# KiCad board output.Panel_R0.5.1_300x300_2layer_step1_Modified_1and5_only.kicad_pcb (continued)
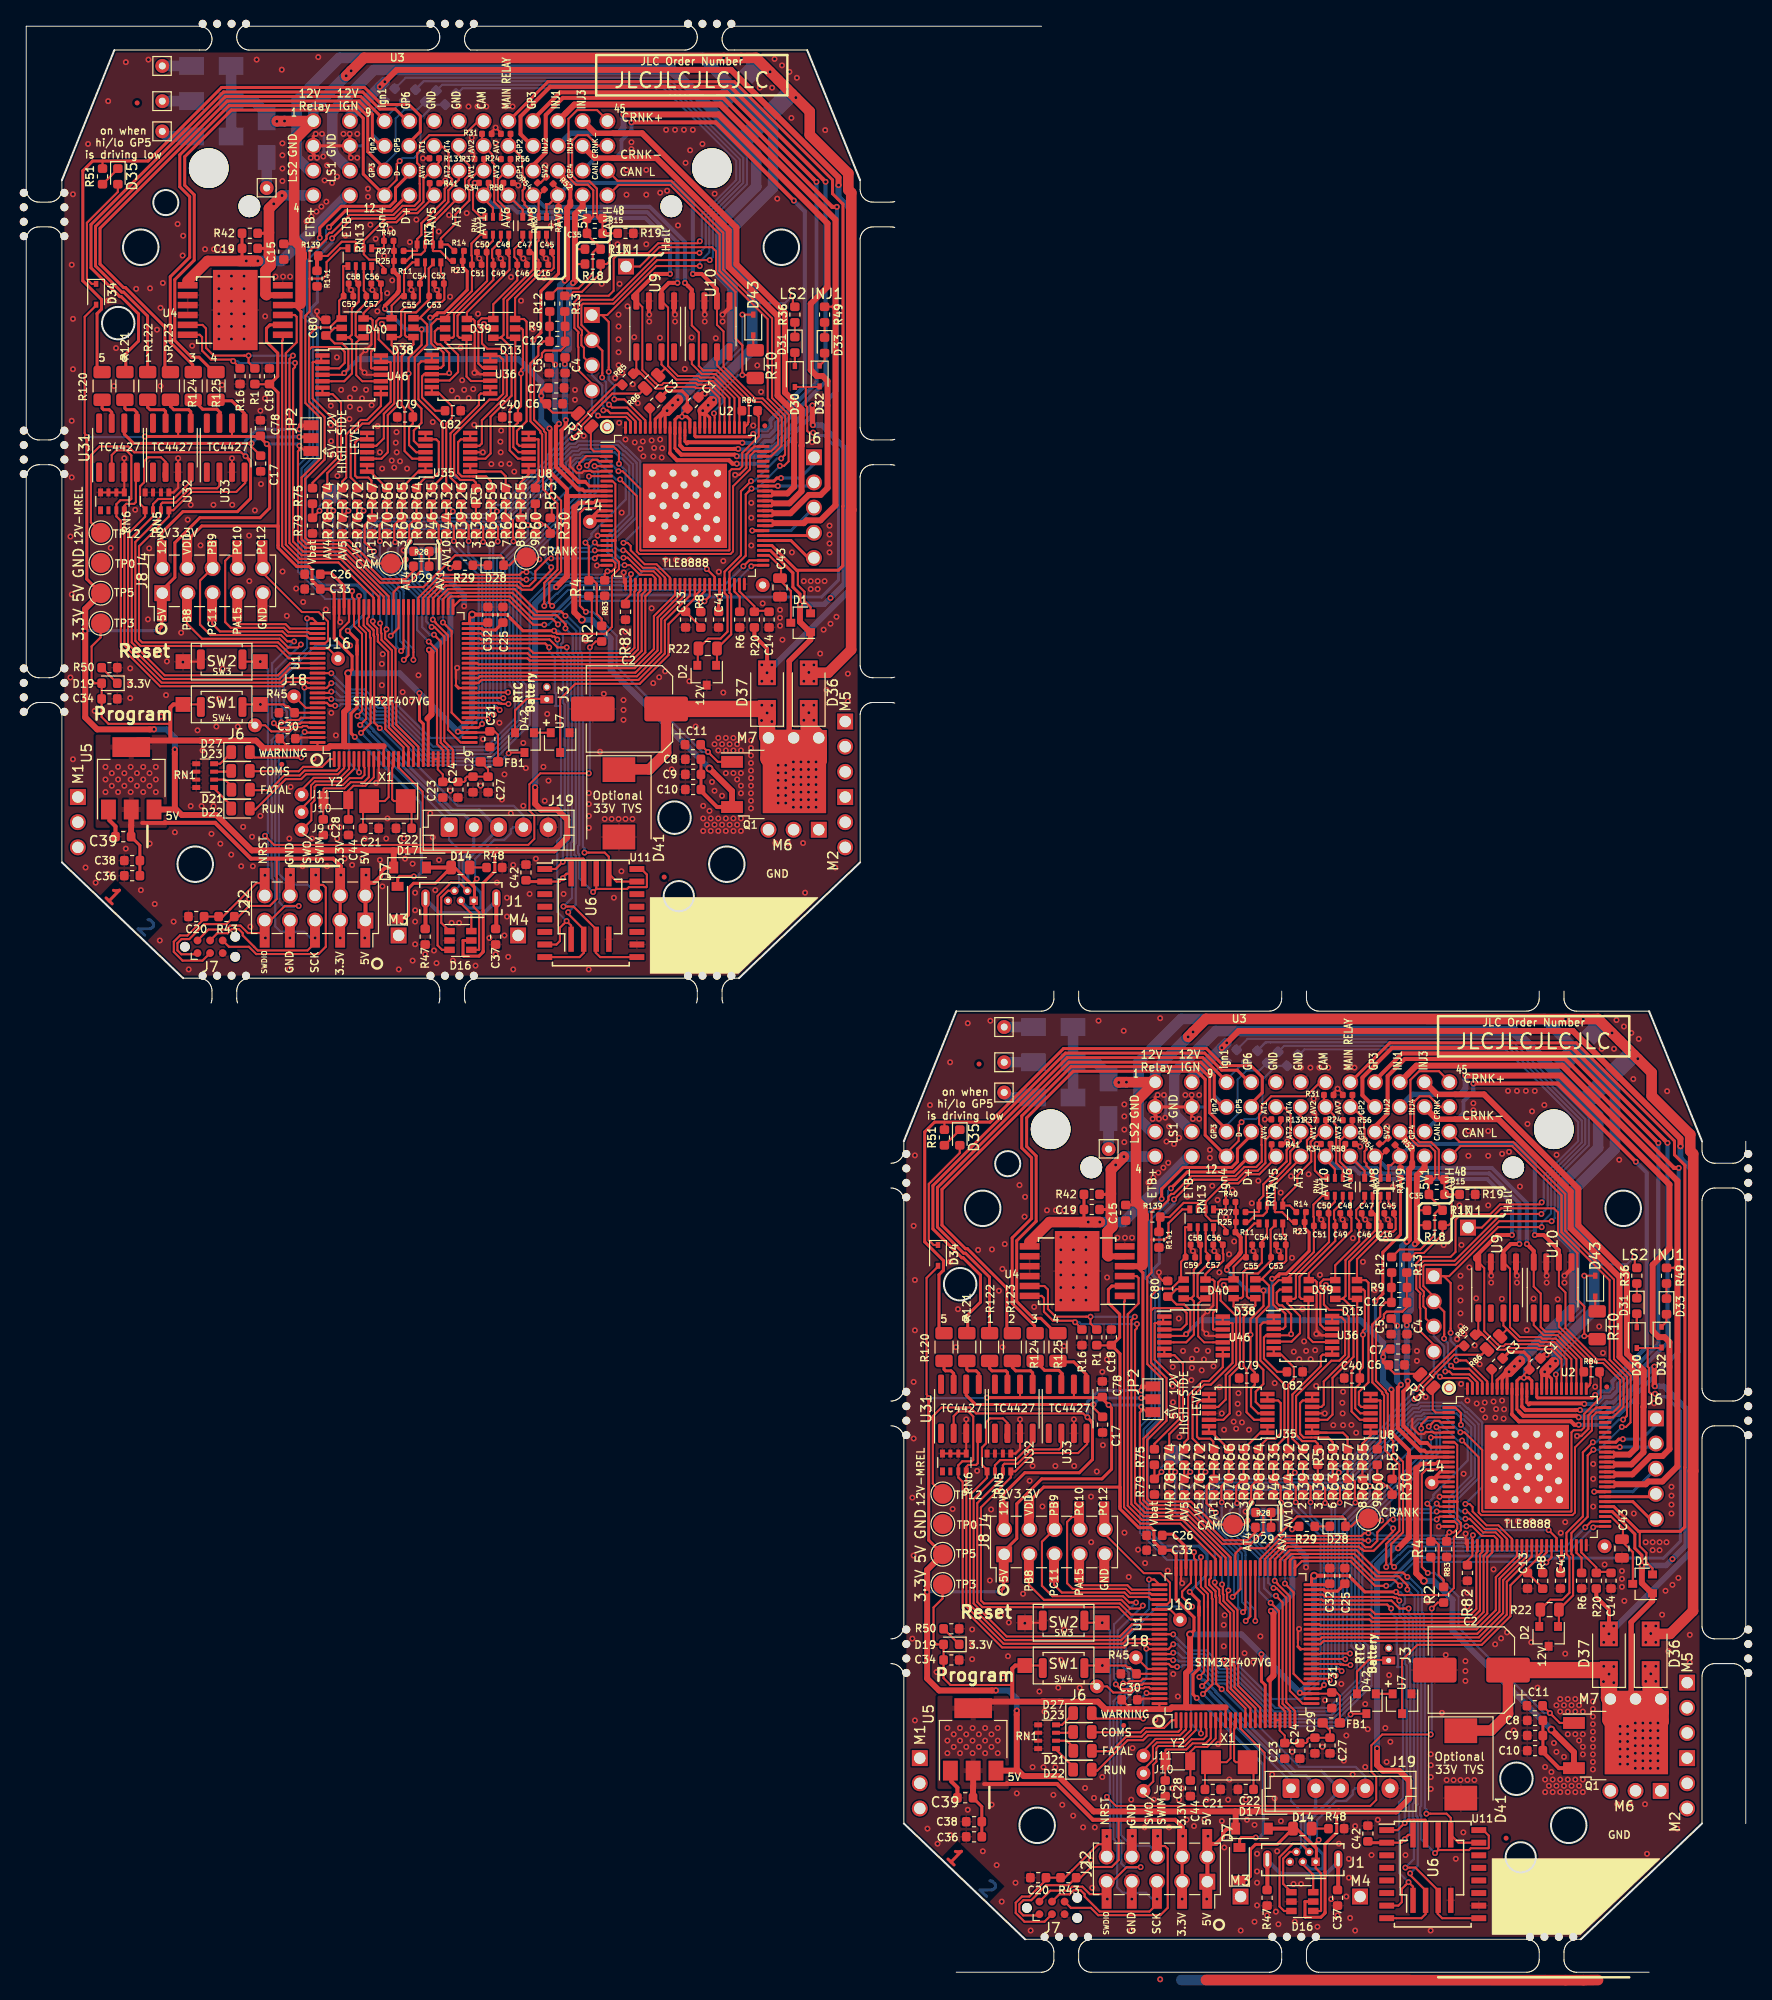
[diagram p0: board, top side]
## Routing (per net, layer and track width the routed paths; a pad name or vN(x,y) marks a point on that pad's centre or on a via; arc(x,y) is an arc through that point) (continued)
/AV9: length 103.9
  Top w0.203: 154.74,71.68 154.74,69.27 155.4,68.6 155.4,65.02 158.58,61.84 159.34,61.84 161.27,59.91 161.27,57.91 161.26,57.9 161.26,57.05 160.2,56 U2#2.73 ; U10.6 69.73,166.26 70.4,165.6 70.4,162.02 73.58,158.84 74.34,158.84 76.27,156.91 76.27,154.91 76.26,154.9 76.26,154.05 75.2,153 U2.73
  Top w0.216: R7#2.2 138.74,82.27 U3#2.40 ; R52#2.1 138.67,83.02 U3#2.40 ; U3#2.40 137.79,81.45 137.47,81.45 137.53,81.39 RN2#2.1 ; R52.1 53.67,180.02 U3.40 ; U3.40 52.79,178.45 52.47,178.45 52.53,178.39 RN2.1 ; U3.40 53.74,179.27 R7.2
  Top w0.406: v1(152.3,74.4) 153.2,74.4 154.74,72.87 154.74,71.68 ; U10.6 69.73,169.87 68.2,171.4 v1(67.3,171.4)
  Bottom w0.406: U3#2.40 139.94,83.6 150.3,83.6 152.3,81.6 v1(152.3,74.4) ; v1(67.3,171.4) 67.3,178.6 65.3,180.6 54.94,180.6 U3.40
/AV9_MCU: length 53.1
  Top w0.203: R30#2.2 137.9,48.64 137.42,49.13 v1(136.95,49.13) ; R30.2 52.9,145.64 52.42,146.13 v1(51.95,146.13)
  Top w0.216: 137.14,49.05 R60#2.2 R53#2.1 ; v1(133.65,32.17) 130.72,32.17 130.66,32.12 U1#2.36 ; U1.36 45.66,129.12 45.72,129.17 v1(48.65,129.17) ; 52.14,146.05 R60.2 R53.1
  Bottom w0.216: v1(133.65,32.17) 133.35,32.47 133.35,45.25 136.65,48.55 136.65,48.83 v1(136.95,49.13) ; v1(51.95,146.13) 51.65,145.83 51.65,145.55 48.35,142.25 48.35,129.47 v1(48.65,129.17)
/AV10: length 106.1
  Top w0.203: U2#2.80 155.5,61.88 154.15,63.23 152.76,63.23 152.61,63.39 149.35,63.39 149.16,63.19 148.74,63.19 148.55,63.39 148.52,63.39 147.2,64.71 147.2,71.07 146.59,71.68 ; U2.80 70.5,158.88 69.15,160.23 67.76,160.23 67.61,160.39 64.35,160.39 64.16,160.19 63.74,160.19 63.55,160.39 63.52,160.39 62.2,161.71 62.2,168.07 U9.8
  Top w0.216: RN4#2.3 132.12,81.06 131.17,82.01 U3#2.28 131.6,82.76 131.6,83.59 ; RN4.3 47.12,178.06 46.17,179.01 U3.28 46.6,179.76 46.6,180.59
  Top w0.406: 146.59,71.68 146.29,71.97 146.29,72.19 148.5,74.4 v1(150,74.4) ; v1(65,171.4) 63.5,171.4 61.3,169.19 61.3,168.98 U9.8
  Bottom w0.406: v1(150,74.4) 150,77.55 147.49,80.06 136.64,80.06 136.08,80.62 134.58,80.62 134.02,81.18 132.33,81.18 U3#2.28 ; v1(65,171.4) 65,174.55 62.49,177.06 51.64,177.06 51.08,177.62 49.58,177.62 49.02,178.18 47.33,178.18 U3.28
/AV10_MCU: length 98.1
  Top w0.216: R32#2.1 R44#2.2 ; R44#2.2 127.4,49.7 128.16,48.94 v1(128.16,47.43) ; R44#2.2 128.05,50.44 v1(128.07,50.44) ; v1(140.34,58.86) 140.64,59.16 140.64,59.2 141.71,60.27 141.71,60.4 144.53,63.22 R85#2.2 ; U1#2.29 130.66,28.62 131.03,28.98 v1(131.03,28.99) ; v1(43.07,147.44) 43.05,147.44 R44.2 ; R44.2 42.4,146.7 43.16,145.94 v1(43.16,144.43) ; R44.2 R32.1 ; v1(46.03,125.99) 46.03,125.98 45.66,125.62 U1.29 ; v1(55.34,155.86) 55.64,156.16 55.64,156.2 56.71,157.27 56.71,157.4 59.53,160.22 R85.2
  Bottom w0.216: v1(140.34,58.86) 137.62,56.14 137.62,55.73 132.99,51.1 132.36,51.1 131.42,50.16 128.35,50.16 v1(128.07,50.44) ; v1(128.16,47.43) 128.53,47.07 128.53,46.84 131.04,44.33 131.04,29.74 131.03,29.73 v1(131.03,28.99) ; v1(43.16,144.43) 43.53,144.07 43.53,143.84 46.04,141.33 46.04,126.74 46.03,126.73 v1(46.03,125.99) ; v1(43.07,147.44) 43.35,147.16 46.42,147.16 47.36,148.1 47.99,148.1 52.62,152.73 52.62,153.14 v1(55.34,155.86)
/MCU/VBAT: length 3.4
  Top w0.216: U7#2.2 D42#2.1 ; U7.2 D42.1
/MCU/VDDA: length 19.6
  Top w0.203: U1#2.21 U1#2.22 126.59,25.21 126.55,25.17 126.55,24.4 127.06,23.9 C23#2.2 C24#2.2 129.21,23.13 129.34,23.26 129.34,23.52 129.49,23.67 C29#2.2 C27#2.2 131.63,24.4 130.88,25.15 FB1#2.2 ; U1.21 U1.22 41.59,122.21 41.55,122.17 41.55,121.4 42.06,120.9 C23.2 C24.2 44.21,120.13 44.34,120.26 44.34,120.52 44.49,120.67 C29.2 C27.2 46.63,121.4 45.88,122.15 FB1.2
/TLE8888-1QK/5V_STBY: length 60.5
  Top w0.216: 138.9,26.15 138.9,31.5 140.44,33.04 146.94,33.04 149.84,35.94 149.84,39.06 151.09,40.3 C13#2.1 ; C13#2.1 151.57,40.74 152.5,41.68 152.5,42 ; C13#2.1 153.1,38.77 R8#2.1 ; 152.5,42 U2#2.40 ; 152.5,42 152.6,42 153,42.4 U2#2.41 ; 67.5,139 67.5,138.68 66.57,137.74 C13.1 ; 67.5,139 67.6,139 68,139.4 U2.41 ; 67.5,139 U2.40 ; C13.1 66.09,137.3 64.84,136.06 64.84,132.94 61.94,130.04 55.44,130.04 53.9,128.5 53.9,123.15 ; C13.1 68.1,135.77 R8.1
/TLE8888-1QK/V6GATE: length 74.3
  Top w0.216: C11#2.1 v1(153.83,26.16) 154.83,25.16 Q1#2.1 ; v1(141.5,40.3) 140.9,40.9 140.9,50.3 141.35,50.75 142.42,50.75 142.66,51 U2#2.13 ; Q1.1 69.83,122.16 v1(68.83,123.16) C11.1 ; v1(56.5,137.3) 55.9,137.9 55.9,147.3 56.35,147.75 57.42,147.75 57.66,148 U2.13
  Bottom w0.203: v1(141.5,40.3) 142.2,40.3 144.6,37.9 144.6,35.4 ; v1(56.5,137.3) 57.2,137.3 59.6,134.9 59.6,132.4
  Bottom w0.216: v1(153.83,26.16) 153.24,26.16 144.6,34.8 144.6,35.4 ; 59.6,132.4 59.6,131.8 68.24,123.16 v1(68.83,123.16)
/TLE8888-1QK/V6V: length 95.9
  Top w0.305: 153.12,22.45 153.12,25.41 C8#2.1 153.2,25.42 ; U2#2.12 142.5,51.5 142.5,51.5 142.32,51.32 142.1,51.3 ; U2.12 57.5,148.5 57.5,148.5 57.32,148.32 57.1,148.3 ; 68.2,122.42 C8.1 68.12,122.41 68.12,119.45
  Top w0.406: 142.08,51.32 140.82,51.32 140.4,50.9 ; C10#2.1 153.12,22.23 154.75,20.6 Q1#2.3 ; 55.4,147.9 55.82,148.32 57.08,148.32 ; Q1.3 69.75,117.6 68.12,119.23 C10.1
  Top w0.6: 140.4,50.9 140.34,50.84 140.34,40.26 v2(141.1,39.5) ; v2(153.98,24.49) 156.26,22.21 Q1#2.3 ; Q1.3 71.26,119.21 v2(68.98,121.49) ; 55.4,147.9 55.34,147.84 55.34,137.26 v2(56.1,136.5)
  Bottom w0.6: v2(141.1,39.5) 142.1,39.5 144,37.6 144,34.46 v2(153.98,24.49) ; v2(56.1,136.5) 57.1,136.5 59,134.6 59,131.46 v2(68.98,121.49)
/Vbat_MCU: length 61
  Top w0.216: v1(116,50.5) 115.4,49.9 R78#2.2 R74#2.1 ; v1(119.99,39.35) 119.99,39.07 120.44,38.62 120.44,38.03 120.5,37.97 120.5,37.31 121.55,36.26 121.55,30.9 121.62,30.83 121.62,28.62 123.59,26.65 U1#2.16 ; v1(34.99,136.35) 34.99,136.07 35.44,135.62 35.44,135.03 35.5,134.97 35.5,134.31 36.55,133.26 36.55,127.9 36.62,127.83 36.62,125.62 38.59,123.65 U1.16 ; R74.1 R78.2 30.4,146.9 v1(31,147.5)
  Bottom w0.216: 116,50.4 116,46.4 119.99,42.41 v1(119.99,39.35) ; v1(34.99,136.35) 34.99,139.41 31,143.4 31,147.4
/VDD: length 595.3
  Top w0.203: SW1#2.1 102.63,30.96 ; U1#2.28 131.68,28.12 C31#2.2 132.28,28.24 132.63,27.89 FB1#2.1 ; R4#2.1 141.8,41.7 142.1,41.4 142.1,38.07 143.17,38.07 ; U2#2.8 144.19,53.5 144.48,53.21 144.48,47.5 144.22,47.5 ; 144.22,47.5 144.47,47.5 144.48,47.49 144.48,45.71 144.83,45.36 144.83,44.61 144.13,43.9 144.13,38.77 143.43,38.07 138.6,38.07 v1(138.29,38.39) ; 144.22,47.5 U2#2.20 ; U1.28 46.68,125.12 C31.2 47.28,125.24 47.63,124.89 FB1.1 ; R4.1 56.8,138.7 57.1,138.4 57.1,135.07 58.17,135.07 ; SW1.1 17.63,127.96 ; 59.22,144.5 59.47,144.5 59.48,144.49 59.48,142.71 59.83,142.36 59.83,141.61 59.13,140.9 59.13,135.77 58.43,135.07 53.6,135.07 v1(53.29,135.39) ; 59.22,144.5 59.48,144.5 59.48,150.21 59.19,150.5 U2.8 ; 59.22,144.5 U2.20
  Top w0.216: 109.64,69.21 109.68,69.26 U4#2.2 ; 112.78,26.38 112.76,26.4 ; U1#2.11 121.09,26.85 ; U1#2.100 114.4,27.11 114.4,26.55 ; 92.51,39.14 92.51,37.72 91.6,36.81 91.6,33.4 91.91,33.09 D19#2.2 92.61,29.69 93.3,29 99.47,29 99.55,29.08 ; 109.58,63.27 108.08,63.27 ; 140.01,14.86 U6#2.8 139.52,13.86 139.17,13.52 v1(139.17,13.42) 138.83,13.08 U11#2.2 ; 112.11,26.55 111.55,26.55 C30#2.2 ; 110.29,15.39 110.29,11.32 109.59,10.62 107.51,10.62 106.44,9.55 R43#2.1 105.97,9.55 105.21,8.78 102.97,8.78 101.46,7.27 100.68,7.27 100.26,6.86 100.26,6.13 100.66,5.74 102.17,5.74 J7#2.1 ; v1(138.29,38.39) 138.61,38.07 143.17,38.07 ; 144.47,47.5 U2#2.20 ; U1.100 29.4,124.11 29.4,123.55 ; U4.2 24.68,166.26 24.64,166.21 ; C30.2 26.55,123.55 27.11,123.55 ; v1(53.29,135.39) 53.61,135.07 58.17,135.07 ; 24.58,160.27 23.08,160.27 ; U1.11 36.09,123.85 ; 7.51,136.14 7.51,134.72 6.6,133.81 6.6,130.4 6.91,130.09 D19.2 7.61,126.69 8.3,126 14.47,126 14.55,126.08 ; 55.01,111.86 U6.8 54.52,110.86 54.17,110.52 v1(54.17,110.42) 53.83,110.08 U11.2 ; 59.47,144.5 U2.20 ; J7.1 17.17,102.74 15.66,102.74 15.26,103.13 15.26,103.86 15.68,104.27 16.46,104.27 17.97,105.78 20.21,105.78 20.97,106.55 R43.1 21.44,106.55 22.51,107.62 24.59,107.62 25.29,108.32 25.29,112.39 ; 27.78,123.38 27.76,123.4
  Top w0.305: 31.7,105.65 31.7,109.15 ; 116.7,8.65 116.7,12.15 ; C36#2.2 96.47,15.23 96.45,15.26 C38#2.1 96.47,16.72 C39#2.2 ; v1(138.29,38.39) 135.14,38.39 133.91,39.63 133.91,39.65 133.6,39.95 133.58,39.95 133.51,40.03 v2(130.02,40.03) 129.76,39.77 U1#2.50 131.5,39.12 C32#2.2 ; 113.97,43.33 114.22,43.08 ; 113.97,43.33 114.69,42.62 114.22,43.08 ; 113.97,43.33 114.7,42.6 115.6,42.6 116.09,42.11 U1#2.75 116.09,37.63 117.89,35.82 117.89,34.49 v2(117.5,34.1) ; 114.22,43.08 113.85,43.45 113.85,44.56 113.55,44.87 112.32,44.87 110.42,46.76 110.42,46.99 ; 110.42,46.99 110.42,48.97 102.72,48.97 101.6,47.85 101.6,45.9 ; 110.42,46.99 110.42,46.99 110.42,62.42 109.58,63.27 110.39,64.08 110.39,66.41 109.25,67.55 109.25,68.91 109.6,69.26 U4#2.2 ; v1(128.58,28.21) 128.68,28.12 U1#2.28 ; C42#2.2 135.59,13.08 U11#2.2 ; U1#2.19 125.09,28.99 124.7,29.38 v1(124.7,32.1) ; v1(53.29,135.39) 50.14,135.39 48.91,136.63 48.91,136.65 48.6,136.95 48.58,136.95 48.51,137.03 v2(45.02,137.03) 44.76,136.77 U1.50 46.5,136.12 C32.2 ; 29.22,140.08 28.85,140.45 28.85,141.56 28.55,141.87 27.32,141.87 25.42,143.76 25.42,143.99 ; 29.22,140.08 28.97,140.33 ; 29.22,140.08 29.69,139.62 28.97,140.33 ; 28.97,140.33 29.7,139.6 30.6,139.6 31.09,139.11 U1.75 31.09,134.63 32.89,132.82 32.89,131.49 v2(32.5,131.1) ; C36.2 11.47,112.23 11.45,112.26 C38.1 11.47,113.72 C39.2 ; U11.2 50.59,110.08 C42.2 ; U1.28 43.68,125.12 v1(43.58,125.21) ; v1(39.7,129.1) 39.7,126.38 40.09,125.99 U1.19 ; 16.6,142.9 16.6,144.85 17.72,145.97 25.42,145.97 25.42,143.99 ; 25.42,143.99 25.42,143.99 25.42,159.42 24.58,160.27 25.39,161.08 25.39,163.41 24.25,164.55 24.25,165.91 24.6,166.26 U4.2
  Top w0.406: 95.6,20.1 U5#2.2 95.6,19.6 ; 130.92,40.03 v2(130.02,40.03) ; 96.71,18.99 98.93,18.99 99.01,19.07 99.01,19.01 104.07,19.01 107.69,15.39 116.01,15.39 116.76,14.63 v1(116.76,13.74) ; SW1#2.1 99.86,30.96 99.55,30.65 99.55,27.31 ; 14.55,124.31 14.55,127.65 14.86,127.96 SW1.1 ; 11.71,115.99 13.93,115.99 14.01,116.07 14.01,116.01 19.07,116.01 22.69,112.39 31.01,112.39 31.77,111.63 v1(31.77,110.74) ; 10.6,116.6 U5.2 10.6,117.1 ; 45.92,137.03 v2(45.02,137.03)
  Top w0.6: C39#2.2 95.58,18.73 95.6,18.75 U5#2.2 ; 104.31,27.31 96.26,27.31 U5#2.2 ; 104.31,27.31 108.19,27.31 108.96,26.55 115.48,26.55 115.67,26.74 121.09,26.74 ; 104.31,27.31 102.56,27.31 102.81,27.31 ; 117.64,26.74 117.1,26.74 117.1,30.2 117.5,30.6 v2(117.5,34.1) ; 32.64,123.74 32.1,123.74 32.1,127.2 32.5,127.6 v2(32.5,131.1) ; 19.31,124.31 17.56,124.31 17.81,124.31 ; 19.31,124.31 11.26,124.31 U5.2 ; 19.31,124.31 23.19,124.31 23.96,123.55 30.48,123.55 30.67,123.74 36.09,123.74 ; U5.2 10.6,115.75 10.58,115.73 C39.2
  Bottom w0.216: v1(139.17,13.42) 139.73,13.98 139.73,15.34 139.62,15.46 139.62,17.13 139.73,17.24 139.73,31.11 139.62,31.22 139.62,35.55 138.99,36.18 138.99,37.05 139.19,37.24 139.19,37.92 138.71,38.39 v1(138.29,38.39) ; v1(54.17,110.42) 54.73,110.98 54.73,112.34 54.62,112.46 54.62,114.13 54.73,114.24 54.73,128.11 54.62,128.22 54.62,132.55 53.99,133.18 53.99,134.05 54.19,134.24 54.19,134.92 53.71,135.39 v1(53.29,135.39)
  Bottom w0.6: v2(117.5,34.1) 122.69,34.1 v1(128.58,28.21) 130.02,29.65 v2(130.02,40.03) ; v2(45.02,137.03) 45.02,126.65 v1(43.58,125.21) 37.69,131.1 v2(32.5,131.1)
  vias: v1(8,121.65) v1(8,120.38) v1(8,119.11) v1(8.63,121.02) v1(8.63,119.75) v1(9.27,121.65) v1(9.27,120.38) v1(9.27,119.11) v1(9.91,121.02) v1(9.91,119.75) v1(10.54,121.65) v1(10.54,120.38) v1(10.54,119.11) v1(11.17,121.02) v1(11.17,119.75) v1(11.81,121.65) v1(11.81,120.38) v1(11.81,119.11) v1(12.45,121.02) v1(12.45,119.75) v1(13.08,121.65) v1(13.08,120.38) v1(13.08,119.11) v1(31.7,104.39) v1(93,24.65) v1(93,23.38) v1(93,22.11) v1(93.63,24.02) v1(93.63,22.75) v1(94.27,24.65) v1(94.27,23.38) v1(94.27,22.11) v1(94.91,24.02) v1(94.91,22.75) v1(95.54,24.65) v1(95.54,23.38) v1(95.54,22.11) v1(96.18,24.02) v1(96.18,22.75) v1(96.81,24.65) v1(96.81,23.38) v1(96.81,22.11) v1(97.44,24.02) v1(97.44,22.75) v1(98.08,24.65) v1(98.08,23.38) v1(98.08,22.11) v1(116.7,7.39)
GND: length 217.3
  Top w0.203: RN6#2.4 RN6#2.3 RN6#2.2 RN6#2.1 94.9,52.35 U31#2.3 v1(94.9,55.8) ; U46#2.11 119.38,64.22 v1(119.15,64.45) ; C30#2.1 112.61,27.5 112.72,27.62 U1#2.99 ; 102.63,35.28 100.87,35.28 v1(100.82,35.22) ; C45#2.2 137.7,75.74 v1(137.47,75.97) 137.11,76.32 C16#2.2 ; C80#2.2 114.77,69.77 114.35,70.18 v1(114.35,70.63) ; v1(142.61,44.98) 142.63,45 U2#2.25 ; R29#2.2 128.1,45 v1(127.8,44.7) ; U33#2.3 v1(105.77,55.8) ; R131#2.2 v1(125.05,86.08) ; R37#2.2 130.25,86.32 130.23,86.34 130.23,86.53 v1(130,86.76) ; v1(145.32,44.27) 145.32,43.28 U2#2.26 ; U2#2.6 142.97,54.5 142.93,54.46 142.09,54.46 142.02,54.52 141.3,54.52 141.11,54.33 140.57,54.33 139.93,54.97 139.93,55.87 ; 17.63,132.28 15.87,132.28 v1(15.82,132.22) ; v1(60.32,141.27) 60.32,140.28 U2.26 ; C45.2 52.7,172.74 v1(52.47,172.97) 52.11,173.32 C16.2 ; RN6.4 RN6.3 RN6.2 RN6.1 9.9,149.35 U31.3 v1(9.9,152.8) ; v1(42.8,141.7) 43.1,142 R29.2 ; R37.2 45.25,183.32 45.23,183.34 45.23,183.53 v1(45,183.76) ; U2.25 57.63,142 v1(57.61,141.98) ; v1(34.15,161.45) 34.38,161.22 U46.11 ; U2.6 57.97,151.5 57.93,151.46 57.09,151.46 57.02,151.52 56.3,151.52 56.11,151.33 55.57,151.33 54.93,151.97 54.93,152.87 ; U33.3 v1(20.77,152.8) ; R131.2 v1(40.05,183.08) ; C30.1 27.61,124.5 27.72,124.62 U1.99 ; C80.2 29.77,166.77 29.36,167.18 v1(29.36,167.63)
  Top w0.216: v1(128.51,34.65) 128.39,34.53 NT2#2.1 ; U8#2.11 130.95,56.41 131.04,56.5 ; v1(116.7,39.26) 116.59,39.38 U1#2.74 ; v1(130.24,64.42) 130.39,64.28 U36#2.11 130.8,64.28 130.28,64.81 130.28,68.4 129.82,68.85 129.8,68.85 ; D40#2.2 119.43,68.96 119.84,68.54 119.84,67.29 v1(119.25,66.7) 118.75,66.2 118.75,64.85 v1(119.15,64.45) ; D13#2.2 131.41,68.9 131.21,69.1 v1(131.21,69.35) ; 119.47,56.46 119.31,56.3 ; 147.95,51 U2#2.101 ; C55#2.2 124.11,72.56 v1(123.88,72.79) 123.78,72.9 C54#2.2 ; 120.3,72.16 120.3,72.43 v1(119.94,72.79) 119.84,72.9 C56#2.2 ; C53#2.2 126.65,72.59 v1(126.45,72.79) 126.19,73.05 C52#2.2 ; RN5#2.1 99.87,52.35 100.33,52.82 U32#2.3 v1(100.33,55.8) ; 120.83,69.36 121.21,68.98 D38#2.2 ; 130.51,76.6 130.51,76.2 v1(130.74,75.97) 130.97,75.74 130.97,75.33 ; 130.63,83.59 130.3,83.59 v1(130.29,83.6) ; 135.54,75.33 135.54,75.61 v1(135.18,75.97) 134.82,76.32 C46#2.2 ; U2#2.19 142.69,48 v1(142.69,47.99) ; C49#2.2 133.13,75.74 v1(132.9,75.97) 132.67,76.2 C48#2.2 ; R58#2.2 134.42,83.59 v1(134.68,83.33) ; v1(137.42,85.36) 137.51,85.28 R52#2.2 136.92,83.6 R54#2.2 ; U1#2.10 120.59,23.27 120.56,23.27 v1(120.32,23.03) ; R31#2.2 131.99,88.77 v1(132.39,89.17) 132.92,88.64 R56#2.2 ; C59#2.2 118.01,72.56 v1(117.78,72.79) 117.55,73.02 C58#2.2 ; v1(156.57,54.12) 156.99,54.12 157.71,54.84 157.71,56.2 158.5,57 U2#2.75 159.23,57 ; v1(127.3,83.84) 127.02,83.56 R41#2.2 ; v1(31.7,136.26) 31.59,136.38 U1.74 ; D38.2 36.21,165.98 35.83,166.36 ; 44.8,165.85 44.82,165.85 45.28,165.4 45.28,161.81 45.8,161.28 U36.11 45.39,161.28 v1(45.24,161.42) ; RN5.1 14.87,149.35 15.33,149.82 U32.3 v1(15.33,152.8) ; R58.2 49.42,180.59 v1(49.67,180.33) ; v1(35.32,120.03) 35.56,120.27 35.59,120.27 U1.10 ; C50.2 45.51,173.2 v1(45.74,172.97) 45.97,172.74 C51.2 ; R56.2 47.92,185.64 v1(47.39,186.17) 46.98,185.77 R31.2 ; C56.2 34.84,169.9 v1(34.94,169.79) 35.3,169.43 C57.2 ; C48.2 47.67,173.2 v1(47.9,172.97) 48.13,172.74 C49.2 ; 62.95,148 U2.101 ; C54.2 38.78,169.9 v1(38.88,169.79) 39.11,169.56 C55.2 ; v1(45.29,180.6) 45.3,180.59 45.63,180.59 ; D13.2 46.41,165.9 46.21,166.1 v1(46.21,166.35) ; v1(71.57,151.12) 71.99,151.12 72.71,151.84 72.71,153.2 73.5,154 U2.75 74.23,154 ; v1(42.3,180.84) 42.02,180.56 R41.2 ; NT2.1 43.39,131.53 v1(43.51,131.65) ; C47.2 50.54,172.61 v1(50.18,172.97) 49.83,173.32 C46.2 ; U8.11 45.95,153.41 46.04,153.5 ; C53.2 41.65,169.59 v1(41.45,169.79) 41.19,170.05 C52.2 ; C58.2 32.55,170.02 v1(32.78,169.79) 33.02,169.56 C59.2 ; v1(57.69,144.99) 57.69,145 U2.19 ; D40.2 34.43,165.96 34.84,165.54 34.84,164.29 v1(34.25,163.7) 33.75,163.2 33.75,161.85 v1(34.15,161.45) ; v1(52.42,182.36) 52.51,182.28 R52.2 51.92,180.6 R54.2 ; 34.47,153.46 34.31,153.3
  Top w0.305: 112.17,27.35 C30#2.1 ; v1(114.35,86.13) 113.97,86.51 U3#2.2 ; 109.51,64.69 109.53,64.67 ; U3#2.2 U3#2.6 ; U3#2.2 113.97,88.28 v1(114.23,88.54) ; v1(117.66,88.54) 117.67,88.52 U3#2.6 ; U3#2.6 117.67,86.24 v1(117.78,86.13) ; v1(32.66,185.54) 32.67,185.52 U3.6 ; U3.6 32.67,183.24 v1(32.78,183.13) ; U3.6 U3.2 ; v1(29.23,185.54) 28.97,185.28 U3.2 ; v1(29.36,183.13) 28.97,183.51 U3.2 ; 24.51,161.69 24.53,161.67 ; 27.17,124.35 C30.1
  Top w0.406: C39#2.1 94.01,18.64 93.4,19.25 93.4,20.25 U5#2.1 ; v1(153.5,70.3) 153.47,70.34 153.47,71.68 ; 156,71.68 156,71 v1(155.3,70.3) ; 147.87,71.68 147.87,70.34 v1(147.9,70.3) ; v1(150.5,70.3) 150.41,70.4 150.41,71.68 ; C1#2.2 153.22,62.32 v1(153.5,62.32) ; v1(68.5,159.32) 68.22,159.32 C1.2 ; U10.5 71,168 v1(70.3,167.3) ; v1(65.5,167.3) 65.41,167.4 U9.5 ; U9.7 62.86,167.34 v1(62.9,167.3) ; C39.1 9.01,115.64 8.4,116.25 8.4,117.25 U5.1 ; v1(68.5,167.3) 68.47,167.34 U10.7
  Bottom w0.305: 115.06,87.26 114.99,87.33 U3#2.2 113.97,86.38 v1(113.72,86.13) ; 115.06,87.26 115.06,88.42 114.94,88.54 v1(114.86,88.54) ; 115.06,87.26 115.06,86.7 114.99,86.63 v1(114.99,86.25) ; U3#2.6 118.97,87.33 ; v1(29.86,185.54) 29.94,185.54 30.06,185.42 30.06,184.26 ; 30.06,184.26 29.99,184.33 U3.2 28.97,183.38 v1(28.72,183.13) ; 30.06,184.26 30.06,183.7 29.99,183.63 v1(29.99,183.25) ; U3.6 33.97,184.33
  Bottom w0.55: NT3#2.1 126.7,44.5 129.21,41.99 v1(129.21,40.87) ; v1(44.21,137.87) 44.21,138.99 41.7,141.5 NT3.1
  vias: v1(4.46,144.9) v1(4.46,130.68) v1(4.59,172.33) v1(4.59,156.58) v1(4.59,150.87) v1(4.59,139.06) v1(4.72,179.44) v1(4.72,166.87) v1(4.72,161.79) v1(4.72,122.42) v1(5.99,111.5) v1(6.24,184.52) v1(6.9,127.3) v1(7,109.97) v1(8.25,168.7) v1(8.27,188.84) v1(8.27,110.86) v1(8.53,143.76) v1(8.86,160.09) v1(9.06,163.92) v1(10.05,192.78) v1(10.05,113.4) v1(10.5,131.6) v1(10.5,130.1) v1(10.5,128.6) v1(11,147.6) v1(11.1,169.9) v1(11.58,109.21) v1(12.34,193.03) v1(12.29,136.54) v1(12.41,143.71) v1(12.5,169.95) v1(12.46,113.91) v1(12.97,107.82) v1(13.2,165.78) v1(13.4,133) v1(13.48,104.13) v1(13.56,167.99) v1(13.56,160.09) v1(13.61,126.74) v1(13.79,170.49) v1(14.12,128.9) v1(14.2,132.3) v1(14.88,106.04) v1(15,115.05) v1(15.28,176.44) v1(15.64,135.2) v1(15.84,175.26) v1(15.79,173.26) v1(16,120.8) v1(16.3,146.6) v1(16.4,101.21) v1(16.6,148.1) v1(16.6,117.7) v1(16.76,164.15) v1(17.29,125.34) v1(17.59,144.01) v1(17.7,117.7) v1(17.8,123.31) v1(18.05,173.9) v1(18.7,114.9) v1(18.9,148.1) v1(18.9,117.7) v1(18.95,173.9) v1(19.2,125.72) v1(19.45,171.19) v1(19.45,169.92) v1(19.45,168.65) v1(19.45,167.38) v1(19.45,166.11) v1(19.45,164.84) v1(19.45,128.52) v1(19.6,113.9) v1(19.8,173.9) v1(19.78,160.19) v1(19.83,131.56) v1(20.7,173.9) v1(20.72,171.19) v1(20.72,169.92) v1(20.72,168.65) v1(20.72,167.38) v1(20.72,166.11) v1(20.72,164.84) v1(20.7,112.8) v1(20.8,148.1) v1(21.35,125.72) v1(21.7,111.62) v1(21.9,115.6) v1(21.99,171.19) v1(21.99,169.92) v1(21.99,168.65) v1(21.99,167.38) v1(21.99,166.11) v1(21.99,164.84) v1(22.5,145) v1(22.52,140.4) v1(22.5,108.32) v1(22.62,105.53) v1(22.8,114.6) v1(22.88,111.62) v1(23.08,147.54) v1(23.26,193.03) v1(23.64,157.6) v1(23.64,116.71) v1(23.7,150.2) v1(23.87,136.8) v1(24.12,167.12) v1(24.1,158.84) v1(25.16,171.14) v1(25.8,192.02) v1(25.86,184.59) v1(25.86,183.38) v1(25.86,182.05) v1(25.86,180.78) v1(25.93,171.14) v1(25.88,141.37) v1(26.31,136.9) v1(26.64,171.14) v1(26.56,114.42) v1(26.62,104.39) v1(26.56,101.21) v1(26.69,119.63) v1(26.69,110.74) v1(27.25,139.65) v1(27.9,111.62) v1(27.96,138.3) v1(28.3,176.7) v1(28.8,177.2) v1(28.85,114.42) v1(29,122.5) v1(29.3,177.7) v1(29.48,193.29) v1(29.8,178.2) v1(30.12,180.84) v1(30.24,137.53) v1(30.3,178.7) v1(30.37,182.36) v1(30.37,111.62) v1(30.62,181.6) v1(30.75,158.1) v1(30.75,156.13) v1(30.78,154.53) v1(30.75,153.13) v1(30.8,127.1) v1(30.75,115.56) v1(30.88,180.59) v1(31.26,124.83) v1(31.39,181.22) v1(31.36,162.98) v1(31.42,151.02) v1(31.39,114.42) v1(31.64,115.56) v1(31.79,159.71) v1(32.02,185.54) v1(32.15,112.39) v1(32.23,175.28) v1(32.63,156.76) v1(32.68,158.92) v1(32.68,158.01) v1(32.9,111.75) v1(33.17,159.81) v1(33.42,185.54) v1(33.42,183.13) v1(33.67,157.75) v1(33.9,158.84) v1(33.93,112.39) v1(34.18,114.42) v1(34.31,159.71) v1(34.5,180) v1(34.5,179.2) v1(34.74,176.37) v1(34.8,182) v1(34.87,158.16) v1(35.27,174.95) v1(35.45,167.63) v1(35.48,156.05) v1(35.7,153.4) v1(35.7,112.26) v1(35.9,166.36) v1(35.93,151.76) v1(35.9,132.05) v1(35.9,129.9) v1(35.99,133.03) v1(35.96,109.59) v1(36.14,173.22) v1(36.34,114.42) v1(36.44,169.46) v1(36.47,116.45) v1(36.77,175.94) v1(36.95,170.76) v1(36.9,152.57) v1(37.15,151.86) v1(37.31,154.37) v1(37.38,155.44) v1(37.4,153.4) v1(37.61,101.21) v1(37.74,152.49) v1(38,164.2) v1(38,129.2) v1(38.12,114.42) v1(38.25,112.39) v1(38.45,151.76) v1(38.73,174.62) v1(38.9,128.3) v1(39.01,111.88) v1(39.01,102.1) v1(39.26,108.96) v1(39.26,107.18) v1(39.26,106.04) v1(39.26,103.75) v1(39.39,176.88) v1(39.6,130.9) v1(40.28,102.74) v1(40.78,116.96) v1(41.04,156.46) v1(41.04,114.55) v1(41.17,103.12) v1(41.29,109.21) v1(41.42,101.85) v1(41.65,175.68) v1(41.67,112.26) v1(42.69,177.33) v1(42.79,169.11) v1(42.82,119.25) v1(42.94,105.91) v1(42.97,159.63) v1(43.07,102.1) v1(43.4,171.72) v1(43.53,158.87) v1(43.7,188.3) v1(43.71,105.91) v1(43.85,163.95) v1(44.01,160.67) v1(44.21,159.71) v1(44.47,177.54) v1(44.65,188.3) v1(44.67,158.87) v1(44.98,185.16) v1(45.13,159.78) v1(45.23,156.18) v1(45.36,101.59) v1(45.55,188.3) v1(45.61,167.38) v1(45.86,119.75) v1(46.1,153.4) v1(46.12,124.45) v1(46.45,188.3) v1(46.75,104.39) v1(46.96,152.21) v1(47.39,184.65) v1(47.39,102.74) v1(47.52,109.97) v1(47.77,126.1) v1(47.95,155.59) v1(47.87,154.47) v1(47.9,153.4) v1(47.95,152.21) v1(48.02,118.36) v1(48.28,120.9) v1(48.28,104.64) v1(48.4,188.3) v1(48.53,108.45) v1(48.53,106.55) v1(48.66,102.48) v1(48.79,152.24) v1(48.94,171.09) v1(48.91,116.96) v1(49.1,188.3) v1(49.17,111.75) v1(49.17,101.21) v1(49.27,151.45) v1(49.95,168.7) v1(50.18,124.07) v1(50.18,117.72) v1(50.44,121.53) v1(50.82,108.83) v1(51.15,165.83) v1(51.45,112.39) v1(52.22,121.66) v1(52.27,170.98) v1(52.34,118.23) v1(52.6,126.99) v1(52.72,120.26) v1(52.98,176.27) v1(54.25,108.83) v1(55.4,159.7) v1(55.4,158.7) v1(56.28,155.06) v1(56.5,134.4) v1(56.8,119) v1(56.8,117.9) v1(56.8,116.7) v1(56.8,115.5) v1(56.79,101.21) v1(57.93,123.18) v1(58.1,170.4) v1(58.31,129.02) v1(58.4,137.3) v1(58.4,116.4) v1(59.1,116.4) v1(59.33,108.45) v1(59.45,160.9) v1(59.7,174.4) v1(59.8,167.3) v1(59.8,166.1) v1(59.8,164.8) v1(59.8,163.5) v1(59.8,162.2) v1(59.8,116.4) v1(59.9,170.4) v1(59.86,156.38) v1(60.11,147.31) v1(60.09,111.12) v1(60.17,161.43) v1(60.3,128.4) v1(60.3,127.4) v1(60.3,126.4) v1(60.5,154.7) v1(60.5,135.3) v1(60.5,133.9) v1(60.5,116.4) v1(60.6,181.9) v1(60.6,179.4) v1(60.7,168.14) v1(61.1,184.7) v1(61.1,184) v1(61.23,160.27) v1(61.2,116.4) v1(61.38,165.02) v1(61.44,154.4) v1(61.74,158.36) v1(62.02,153.76) v1(62.25,154.5) v1(62.3,153) v1(62.6,181.9) v1(62.6,179.4) v1(62.6,174.4) v1(62.9,166.6) v1(63.14,154.6) v1(63.14,137.66) v1(63.31,152.98) v1(63.3,130.1) v1(63.39,153.84) v1(63.9,130.7) v1(63.9,107.5) v1(63.9,105.2) v1(63.9,102.7) v1(64,179.6) v1(63.98,164.97) v1(64,154.7) v1(64.03,101.47) v1(64.2,153.81) v1(64.15,152.87) v1(64.5,131.3) v1(64.6,185.95) v1(64.56,142.56) v1(64.7,179.8) v1(65.17,121.4) v1(65.5,185.95) v1(65.5,166.6) v1(65.6,142.56) v1(65.8,176.3) v1(66.4,185.95) v1(66.49,161.82) v1(66.57,182.62) v1(66.95,130.29) v1(67.02,183.89) v1(67,142.56) v1(67.18,164.99) v1(67.3,185.95) v1(67.58,125.72) v1(68.27,184.52) v1(68.34,117.72) v1(68.34,116.45) v1(68.34,115.18) v1(68.5,166.6) v1(68.6,142.51) v1(68.72,115.82) v1(68.98,117.21) v1(69.11,116.45) v1(69.11,115.18) v1(69.23,120.13) v1(69.3,102.7) v1(69.5,179.5) v1(69.49,123.94) v1(69.49,119.25) v1(69.49,115.82) v1(69.61,164.91) v1(69.92,141.34) v1(69.87,124.58) v1(69.87,123.31) v1(69.87,116.45) v1(69.87,115.18) v1(70.25,123.94) v1(70.25,118.74) v1(70.25,115.82) v1(70.3,166.6) v1(70.38,142.44) v1(70.38,129.15) v1(70.63,124.58) v1(70.63,123.31) v1(70.63,121.02) v1(70.63,116.45) v1(70.63,115.18) v1(71.01,123.94) v1(71.01,115.82) v1(71.39,124.58) v1(71.39,123.31) v1(71.39,121.02) v1(71.39,116.45) v1(71.39,115.18) v1(71.77,123.94) v1(71.77,120.39) v1(71.77,115.82) v1(71.9,105.1) v1(72.15,124.58) v1(72.15,123.31) v1(72.15,121.02) v1(72.15,119.75) v1(72.15,118.99) v1(72.15,116.45) v1(72.15,115.18) v1(73.2,148.3) v1(73.2,146.8) v1(73.2,144) v1(73.17,124.33) v1(73.17,123.56) v1(73.17,122.8) v1(73.17,122.04) v1(73.17,121.28) v1(73.17,120.52) v1(73.17,119.75) v1(73.17,118.99) v1(73.17,118.23) v1(73.17,117.47) v1(73.4,156.1) v1(73.81,162.17) v1(74.05,190.2) v1(74.19,159.5) v1(74.35,138.15) v1(74.6,107.6) v1(75.3,190.2) v1(75.55,193.1) v1(75.63,113.96) v1(75.83,179) v1(76.1,137.5) v1(76.1,136.7) v1(76.1,135.9) v1(76.3,192.45) v1(76.34,134.49) v1(76.9,113.96) v1(77.05,191.8) v1(77.25,187.15) v1(77.3,143.3) v1(77.8,191.2) v1(78.43,113.96) v1(78.5,140.4) v1(78.63,108.96) v1(79.2,140.4) v1(79.2,139.6) v1(79.34,154.42) v1(79.9,140.4) v1(79.9,139.6) v1(80.16,133.09) v1(80.5,135.5) v1(80.6,140.4) v1(80.66,185.92) v1(80.79,129.41) v1(81.1,146) v1(81.1,145.1) v1(81.1,144.2) v1(81.1,143.3) v1(81.2,136.1) v1(81.68,111.5) v1(81.8,136.8) v1(82.95,131.06) v1(82.95,128.26) v1(89.46,47.9) v1(89.46,33.68) v1(89.59,75.33) v1(89.59,59.58) v1(89.59,53.87) v1(89.59,42.06) v1(89.72,82.44) v1(89.72,69.87) v1(89.72,64.79) v1(89.72,25.42) v1(90.99,14.5) v1(91.24,87.52) v1(91.9,30.3) v1(92,12.97) v1(93.25,71.7) v1(93.27,91.84) v1(93.27,13.86) v1(93.53,46.76) v1(93.86,63.09) v1(94.06,66.92) v1(95.05,95.78) v1(95.05,16.4) v1(95.5,34.6) v1(95.5,33.1) v1(95.5,31.6) v1(96,50.6) v1(96.1,72.9) v1(96.57,12.21) v1(97.34,96.03) v1(97.29,39.54) v1(97.41,46.71) v1(97.5,72.95) v1(97.46,16.91) v1(97.97,10.81) v1(98.2,68.78) v1(98.4,36) v1(98.48,7.13) v1(98.56,70.99) v1(98.56,63.09) v1(98.61,29.74) v1(98.79,73.49) v1(99.12,31.9) v1(99.2,35.3) v1(99.88,9.04) v1(100,18.05) v1(100.28,79.44) v1(100.64,38.2) v1(100.84,78.26) v1(100.79,76.26) v1(101,23.8) v1(101.3,49.6) v1(101.4,4.21) v1(101.6,51.1) v1(101.6,20.7) v1(101.76,67.15) v1(102.29,28.34) v1(102.59,47.01) v1(102.7,20.7) v1(102.8,26.31) v1(103.05,76.9) v1(103.7,17.9) v1(103.95,76.9) v1(103.9,51.1) v1(103.9,20.7) v1(104.19,28.72) v1(104.45,74.19) v1(104.45,72.92) v1(104.45,71.65) v1(104.45,70.38) v1(104.45,69.11) v1(104.45,67.84) v1(104.45,31.52) v1(104.6,16.9) v1(104.8,76.9) v1(104.78,63.19) v1(104.83,34.56) v1(105.7,76.9) v1(105.72,74.19) v1(105.72,72.92) v1(105.72,71.65) v1(105.72,70.38) v1(105.72,69.11) v1(105.72,67.84) v1(105.7,15.8) v1(105.8,51.1) v1(106.35,28.72) v1(106.7,14.62) v1(106.9,18.6) v1(106.99,74.19) v1(106.99,72.92) v1(106.99,71.65) v1(106.99,70.38) v1(106.99,69.11) v1(106.99,67.84) v1(107.5,48) v1(107.52,43.4) v1(107.5,11.32) v1(107.62,8.53) v1(107.8,17.6) v1(107.88,14.62) v1(108.08,50.54) v1(108.26,96.03) v1(108.64,60.6) v1(108.64,19.71) v1(108.7,53.2) v1(108.87,39.8) v1(109.12,70.12) v1(109.1,61.84) v1(110.16,74.14) v1(110.8,95.02) v1(110.86,87.59) v1(110.86,86.38) v1(110.86,85.05) v1(110.86,83.78) v1(110.93,74.14) v1(110.88,44.37) v1(111.31,39.9) v1(111.64,74.14) v1(111.56,17.42) v1(111.62,7.39) v1(111.56,4.21) v1(111.69,22.63) v1(111.69,13.74) v1(112.25,42.65) v1(112.9,14.62) v1(112.96,41.3) v1(113.3,79.7) v1(113.8,80.2) v1(113.85,17.42) v1(114,25.5) v1(114.3,80.7) v1(114.48,96.29) v1(114.48,-0.71) v1(114.8,81.2) v1(115.12,83.84) v1(115.24,40.53) v1(115.3,81.7) v1(115.37,85.36) v1(115.37,14.62) v1(115.62,84.6) v1(115.75,61.1) v1(115.75,59.13) v1(115.78,57.53) v1(115.75,56.13) v1(115.8,30.1) v1(115.75,18.56) v1(115.88,83.59) v1(116.26,27.83) v1(116.39,84.22) v1(116.36,65.98) v1(116.42,54.02) v1(116.39,17.42) v1(116.64,18.56) v1(116.79,62.71) v1(117.02,88.54) v1(117.15,15.39) v1(117.23,78.28) v1(117.63,59.76) v1(117.68,61.92) v1(117.68,61.01) v1(117.9,14.75) v1(118.16,62.81) v1(118.42,88.54) v1(118.42,86.13) v1(118.67,60.75) v1(118.9,61.84) v1(118.93,15.39) v1(119.18,17.42) v1(119.31,62.71) v1(119.5,83) v1(119.5,82.2) v1(119.74,79.37) v1(119.8,85) v1(119.87,61.16) v1(120.27,77.95) v1(120.45,70.63) v1(120.48,59.05) v1(120.7,56.4) v1(120.71,15.26) v1(120.9,69.36) v1(120.93,54.76) v1(120.9,35.05) v1(120.9,32.9) v1(120.99,36.03) v1(120.96,12.59) v1(121.14,76.22) v1(121.34,17.42) v1(121.44,72.46) v1(121.47,19.45) v1(121.77,78.94) v1(121.95,73.76) v1(121.9,55.57) v1(122.15,54.86) v1(122.31,57.37) v1(122.38,58.44) v1(122.4,56.4) v1(122.61,4.21) v1(122.74,55.49) v1(123,67.2) v1(123,32.2) v1(123.12,17.42) v1(123.25,15.39) v1(123.45,54.76) v1(123.73,77.62) v1(123.9,31.3) v1(124.01,14.88) v1(124.01,5.1) v1(124.26,11.96) v1(124.26,10.18) v1(124.26,9.04) v1(124.26,6.75) v1(124.39,79.88) v1(124.6,33.9) v1(125.28,5.74) v1(125.78,19.96) v1(126.04,59.46) v1(126.04,17.55) v1(126.17,6.12) v1(126.29,12.21) v1(126.42,4.85) v1(126.65,78.68) v1(126.67,15.26) v1(127.69,80.33) v1(127.79,72.11) v1(127.82,22.25) v1(127.94,8.91) v1(127.97,62.63) v1(128.07,5.1) v1(128.4,74.72) v1(128.53,61.87) v1(128.7,91.3) v1(128.71,8.91) v1(128.85,66.95) v1(129.01,63.67) v1(129.21,62.71) v1(129.47,80.54) v1(129.65,91.3) v1(129.67,61.87) v1(129.98,88.16) v1(130.13,62.78) v1(130.23,59.18) v1(130.36,4.59) v1(130.55,91.3) v1(130.61,70.38) v1(130.87,22.75) v1(131.1,56.4) v1(131.12,27.45) v1(131.45,91.3) v1(131.75,7.39) v1(131.96,55.21) v1(132.39,87.65) v1(132.39,5.74) v1(132.52,12.97) v1(132.77,29.1) v1(132.95,58.59) v1(132.87,57.47) v1(132.9,56.4) v1(132.95,55.21) v1(133.02,21.36) v1(133.28,23.9) v1(133.28,7.64) v1(133.4,91.3) v1(133.53,11.45) v1(133.53,9.55) v1(133.66,5.48) v1(133.79,55.24) v1(133.94,74.09) v1(133.91,19.96) v1(134.1,91.3) v1(134.17,14.75) v1(134.17,4.21) v1(134.27,54.45) v1(134.95,71.7) v1(135.18,27.07) v1(135.18,20.72) v1(135.44,24.53) v1(135.82,11.83) v1(136.15,68.83) v1(136.45,15.39) v1(137.22,24.66) v1(137.27,73.98) v1(137.34,21.23) v1(137.6,29.99) v1(137.72,23.26) v1(137.98,79.27) v1(139.25,11.83) v1(140.4,62.7) v1(140.4,61.7) v1(141.28,58.06) v1(141.5,37.4) v1(141.8,22) v1(141.8,20.9) v1(141.8,19.7) v1(141.8,18.5) v1(141.79,4.21) v1(142.93,26.18) v1(143.1,73.4) v1(143.31,32.02) v1(143.4,40.3) v1(143.4,19.4) v1(144.1,19.4) v1(144.33,11.45) v1(144.45,63.9) v1(144.7,77.4) v1(144.8,70.3) v1(144.8,69.1) v1(144.8,67.8) v1(144.8,66.5) v1(144.8,65.2) v1(144.8,19.4) v1(144.9,73.4) v1(144.86,59.38) v1(145.11,50.31) v1(145.09,14.12) v1(145.17,64.43) v1(145.3,31.4) v1(145.3,30.4) v1(145.3,29.4) v1(145.5,57.7) v1(145.5,38.3) v1(145.5,36.9) v1(145.5,19.4) v1(145.6,84.9) v1(145.6,82.4) v1(145.7,71.14) v1(146.1,87.7) v1(146.1,87) v1(146.23,63.27) v1(146.2,19.4) v1(146.38,68.02) v1(146.44,57.4) v1(146.74,61.36) v1(147.02,56.76) v1(147.25,57.5) v1(147.3,56) v1(147.6,84.9) v1(147.6,82.4) v1(147.6,77.4) v1(147.9,69.6) v1(148.14,57.6) v1(148.14,40.66) v1(148.31,55.98) v1(148.3,33.1) v1(148.39,56.84) v1(148.9,33.7) v1(148.9,10.5) v1(148.9,8.2) v1(148.9,5.7) v1(149,82.6) v1(148.98,67.97) v1(149,57.7) v1(149.03,4.47) v1(149.2,56.81) v1(149.15,55.87) v1(149.5,34.3) v1(149.6,88.95) v1(149.56,45.56) v1(149.7,82.8) v1(150.17,24.4) v1(150.5,88.95) v1(150.5,69.6) v1(150.6,45.56) v1(150.8,79.3) v1(151.4,88.95) v1(151.49,64.82) v1(151.57,85.62) v1(151.95,33.29) v1(152.02,86.89) v1(152,45.56) v1(152.18,67.99) v1(152.3,88.95) v1(152.58,28.72) v1(153.27,87.52) v1(153.34,20.72) v1(153.34,19.45) v1(153.34,18.18) v1(153.5,69.6) v1(153.6,45.51) v1(153.72,18.82) v1(153.98,20.21) v1(154.11,19.45) v1(154.11,18.18) v1(154.23,23.13) v1(154.3,5.7) v1(154.5,82.5) v1(154.49,26.94) v1(154.49,22.25) v1(154.49,18.82) v1(154.61,67.91) v1(154.92,44.34) v1(154.87,27.58) v1(154.87,26.31) v1(154.87,19.45) v1(154.87,18.18) v1(155.25,26.94) v1(155.25,21.74) v1(155.25,18.82) v1(155.3,69.6) v1(155.38,45.44) v1(155.38,32.15) v1(155.63,27.58) v1(155.63,26.31) v1(155.63,24.02) v1(155.63,19.45) v1(155.63,18.18) v1(156.01,26.94) v1(156.01,18.82) v1(156.39,27.58) v1(156.39,26.31) v1(156.39,24.02) v1(156.39,19.45) v1(156.39,18.18) v1(156.77,26.94) v1(156.77,23.39) v1(156.77,18.82) v1(156.9,8.1) v1(157.15,27.58) v1(157.15,26.31) v1(157.15,24.02) v1(157.15,22.75) v1(157.15,21.99) v1(157.15,19.45) v1(157.15,18.18) v1(158.2,51.3) v1(158.2,49.8) v1(158.2,47) v1(158.17,27.33) v1(158.17,26.56) v1(158.17,25.8) v1(158.17,25.04) v1(158.17,24.28) v1(158.17,23.52) v1(158.17,22.75) v1(158.17,21.99) v1(158.17,21.23) v1(158.17,20.47) v1(158.4,59.1) v1(158.81,65.17) v1(159.05,93.2) v1(159.19,62.5) v1(159.35,41.15) v1(159.6,10.6) v1(160.3,93.2) v1(160.55,96.1) v1(160.63,16.96) v1(160.82,82) v1(161.1,40.5) v1(161.1,39.7) v1(161.1,38.9) v1(161.3,95.45) v1(161.34,37.49) v1(161.9,16.96) v1(162.05,94.8) v1(162.25,90.15) v1(162.3,46.3) v1(162.8,94.2) v1(163.43,16.96) v1(163.5,43.4) v1(163.63,11.96) v1(164.2,43.4) v1(164.2,42.6) v1(164.34,57.42) v1(164.9,43.4) v1(164.9,42.6) v1(165.16,36.09) v1(165.5,38.5) v1(165.6,43.4) v1(165.66,88.92) v1(165.79,32.41) v1(166.1,49) v1(166.1,48.1) v1(166.1,47.2) v1(166.1,46.3) v1(166.2,39.1) v1(166.68,14.5) v1(166.8,39.8) v1(167.95,34.06) v1(167.95,31.26)
